# Altium PCB XTIDA-010086.PcbDoc (part 6 of 17)
Units mm, origin at the board's own origin, x right, y up, seen from the top; angles counter-clockwise.
Board outline 375 x 210 mm, 6 copper layers (Top Layer, GND Layer, Signal Layer 1, Signal Layer 2, Power Layer, Bottom Layer), stack 1.575 mm thick; 1884 components, 1036 nets, 4948 pads, 6791 vias.
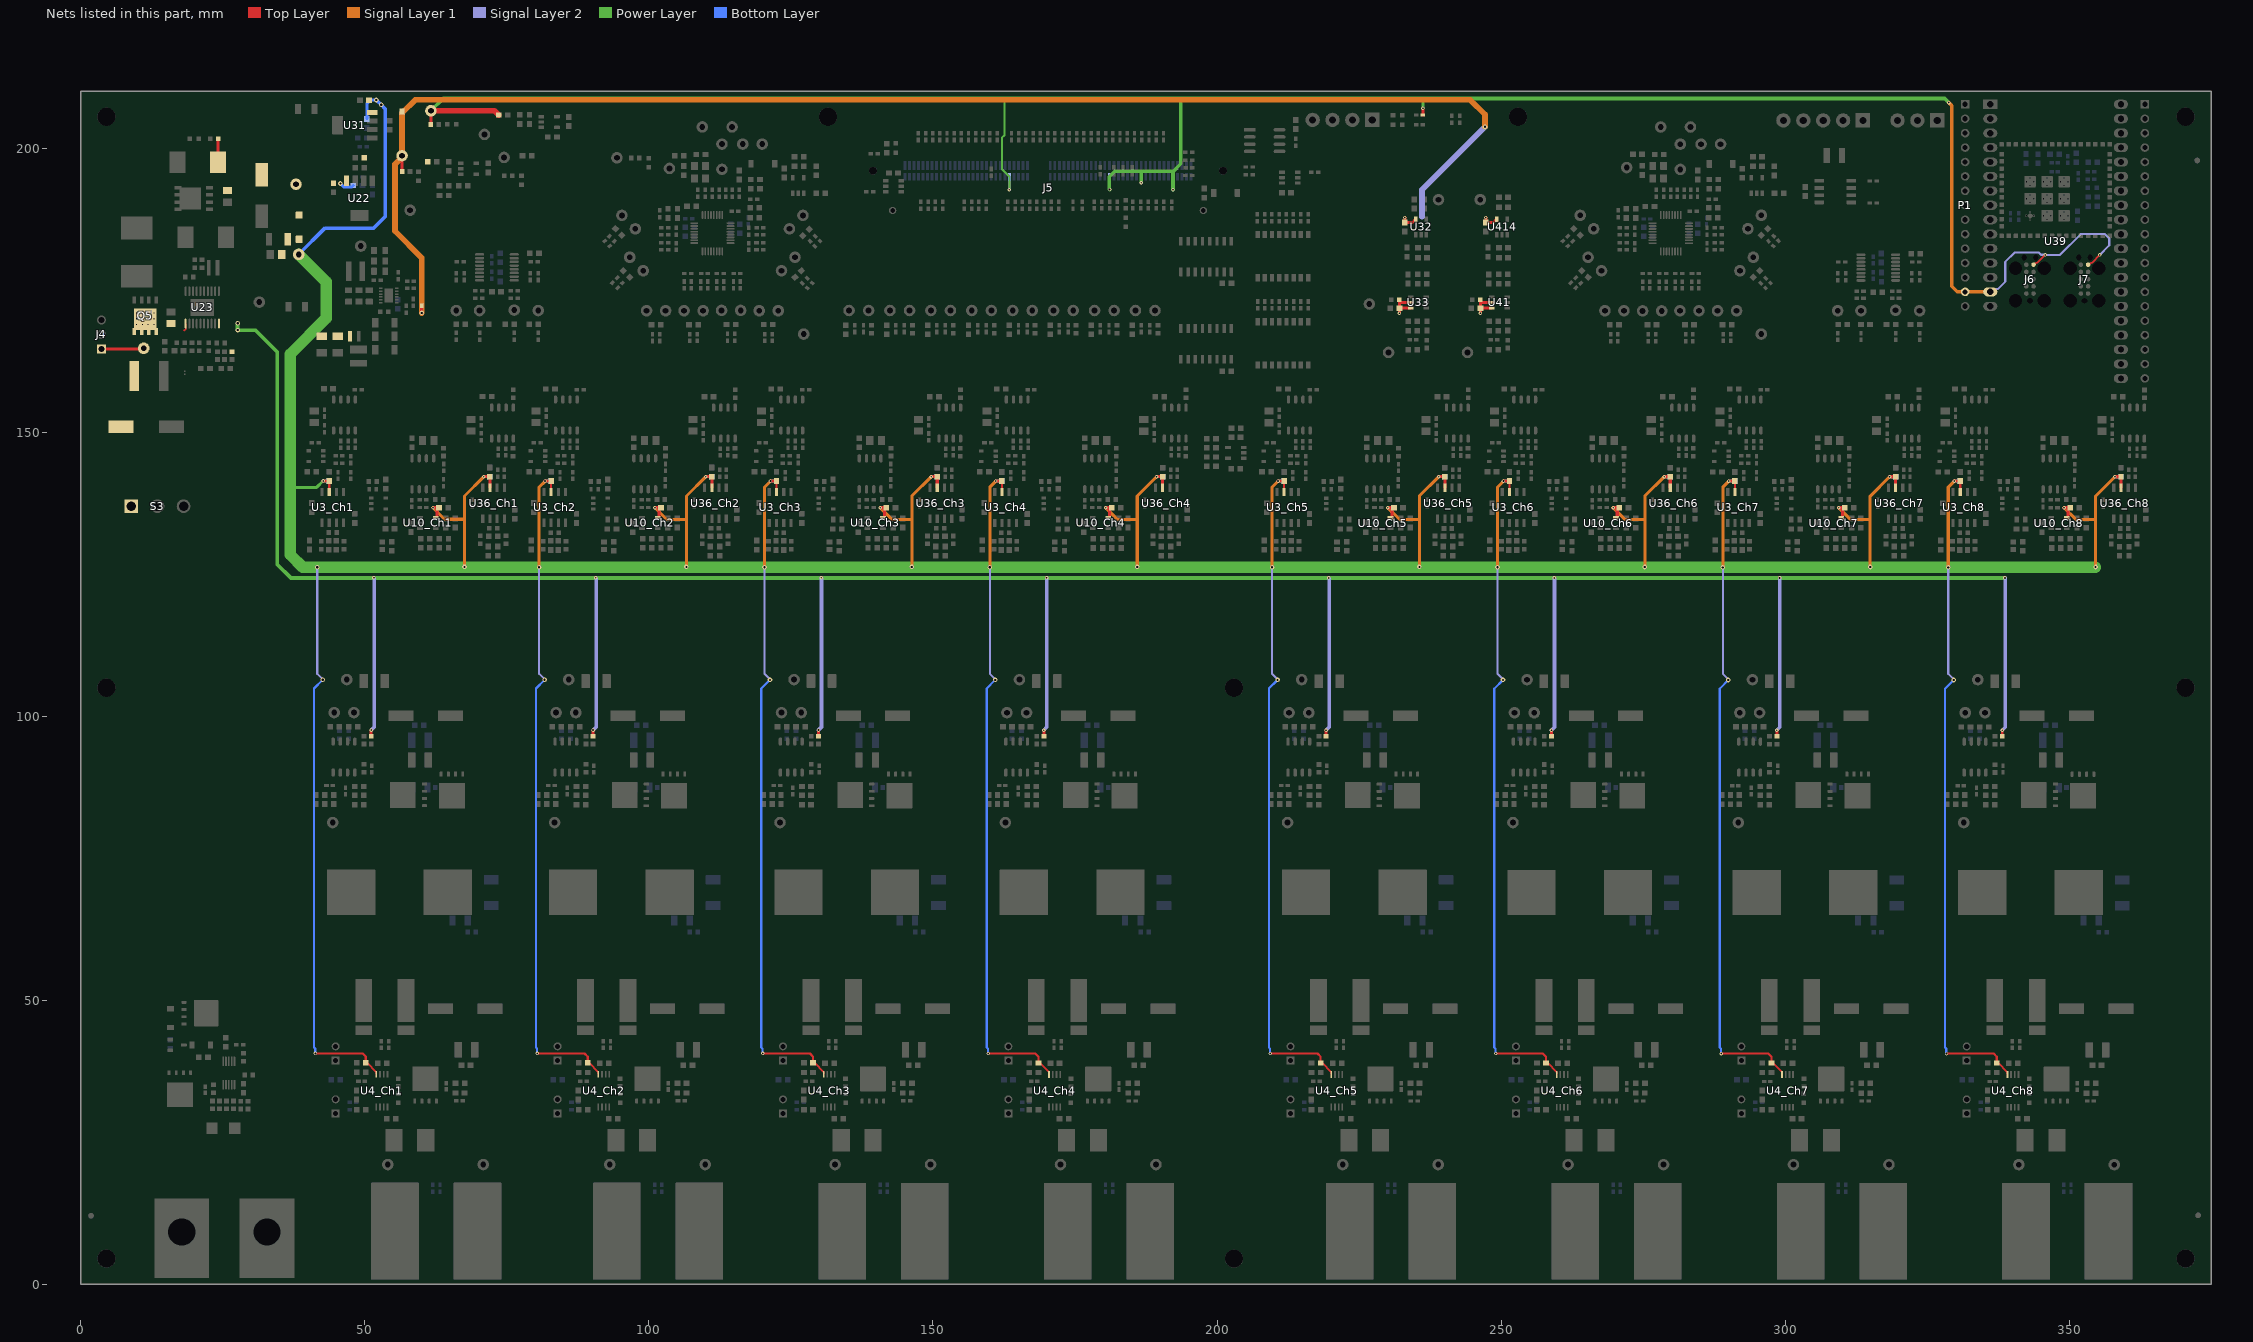
[diagram p10: the nets of this part, all layers, seen from the top]

## Part data (continued)
Q4: library part CMP-0000416-1, "Transistor, NPN, 80 V, 0.5 A, SOT-23", Manufacturer="Diodes Inc.", Supplier Part Number 1=MMBTA06-FDICT-ND, Value1="0.5 A", AEC Category=Q101, AEC Qualified=?, ComponentLink1Description="Datasheet link", ComponentLink1URL=http://www.diodes.com/datasheets/ds30037.pdf, CompType=BJT, IcRated_A=500mA, LatestRevisionDate=2017-03-09, MountType=SMT, NPN=1, PackageReference=SOT-23, PartNumber=MMBTA06-7-F, PNP=0, Published=2008-07-31, Publisher="Texas Instruments", RoHS=Y, SizeArea_mm2=7.5, SizeAreaWB_mm2=14, SizeX_mm=2.5, SizeY_mm=3, SizeZ_mm=1.1, Supplier 1=Digi-Key, Supplier 2=Newark, Supplier 3=Mouser, Supplier Part Number 2=51R6805, Supplier Part Number 3=621-MMBTA06-F, TaMax_C=150°C, TaMin_C=-55°C, U/M=EA, Vceo_V=80V, Vcesat1_V=250mV
Q5 Q6: "MOSFET, N-CH, 100 V, 21 A, PowerPAK SO-8", Alternate Manufacturer=None, Manufacturer=Vishay-Siliconix, Supplier Part Number 1=SI7454DDP-T1-GE3CT-ND, Value1="0.047 ohm", Value2="12.8 nC", AEC Category=Q101, AEC Qualified=N, ChType=N, ComponentLink1Description="Datasheet link", ComponentLink1URL=http://www.vishay.com/docs/67883/si7454ddp.pdf, CompType=MOSFET, IdsMax_A=21, LatestRevisionDate=2016-10-20, LatestRevisionNote="Added parts.", MountType=SMT, PackageReference="PowerPAK SO-8", PartNumber=SI7454DDP-T1-GE3, Published=2008-06-19, Publisher="Texas Instruments", QgTyp_nC=12.8, Rdson45_ohm=0.047, RoHS=Y, SizeArea_mm2=29.351, SizeAreaWB_mm2=55.131, SizeX_mm=5.99, SizeY_mm=4.9, SizeZ_mm=1.12, Supplier 1=Digi-Key, Supplier 2=Mouser, Supplier 3=Farnell, Supplier Part Number 2=78-SI7454DDP-T1-GE3, Supplier Part Number 3=2283675, SymbolVersion=2011-08-16, U/M=EA, VdsMax_V=100, Vgs_V=20
R1_Ch1 R1_Ch2 R1_Ch3 R1_Ch4 R1_Ch5 R1_Ch6 R1_Ch7 R1_Ch8 R5_Ch1 R5_Ch2 R5_Ch3 R5_Ch4 R5_Ch5 R5_Ch6 R5_Ch7 R5_Ch8 R18_Ch1 R18_Ch2 R18_Ch3 R18_Ch4 R18_Ch5 R18_Ch6 R18_Ch7 R18_Ch8 R24_Ch1 R24_Ch2 R24_Ch3 R24_Ch4 R24_Ch5 R24_Ch6 R24_Ch7 R24_Ch8 R190 R191 R194 R195: library part CMP-0022746-5, "RES, 10.0 k, 1%, 0.1 W, 0603", Manufacturer=Yageo, Power_W=100mW, Supplier Part Number 1=311-10.0KHRCT-ND, TempCo="100 ppm/C", Tolerance_%=1%, Value2=0.1W, Value_Code=10k0, ValueDisplayed=10.0k, AEC Category=Q200, AEC Grade=N/A, AEC Qualified=N, ComponentLink1Description="Datasheet link", ComponentLink1URL=http://www.yageo.com/pdf/Pu-RC0603_51_PbFree_L_2.pdf, CompType=Resistor, EIA_Code=E96, MountType=SMT, PackageReference=0603, PartNumber=RC0603FR-0710KL, Res_ohm=10k, RoHS=Y, SizeArea_mm2=1.28, SizeAreaWB_mm2=4.68, SizeX_mm=1.6, SizeY_mm=0.8, SizeZ_mm=1, Supplier 1=Digi-Key, Supplier 2=Mouser, Supplier 3=Farnell, Supplier Part Number 2=603-RC0603FR-0710KL, Supplier Part Number 3=9238603, Technology="Thick Film", Value1=1%, VDC_V=75V
R2_Ch1 R2_Ch2 R2_Ch3 R2_Ch4 R2_Ch5 R2_Ch6 R2_Ch7 R2_Ch8 R3_Ch1 R3_Ch2 R3_Ch3 R3_Ch4 R3_Ch5 R3_Ch6 R3_Ch7 R3_Ch8 R8_Ch1 R8_Ch2 R8_Ch3 R8_Ch4 R8_Ch5 R8_Ch6 R8_Ch7 R8_Ch8: "RES, 0, 5%, 0.1 W, 0603", Manufacturer="Yageo America", Power_W=0.1, Supplier Part Number 1=311-0.0GRCT-ND, TempCo="200 ppm/C", Tolerance_%=5, Value1=5%, Value2=0.1W, Value_Code=0000, ValueDisplayed=0, AEC Category=Q200, AEC Qualified=?, ComponentLink1Description="Datasheet link", ComponentLink1URL=http://www.yageo.com/pdf/Pu-RC0603_51_PbFree_L_2.pdf, CompType=Resistor, EIA_Code=E24, LatestRevisionDate=2017-03-04, MountType=SMT, PackageReference=0603, PartNumber=RC0603JR-070RL, Published=2008-06-26, Publisher="Texas Instruments", Res_ohm=0, RoHS=Y, SizeArea_mm2=1.28, SizeX_mm=1.6, SizeY_mm=0.8, SizeZ_mm=1, Supplier 1=Digi-Key, Supplier 2=Mouser, Supplier 3=Farnell, Supplier Part Number 2=603-RC0603JR-070RL, Supplier Part Number 3=9233130, SymbolVersion=2009-05-29, Technology="Thick Film", U/M=EA, VDC_V=50
R4_Ch1 R4_Ch2 R4_Ch3 R4_Ch4 R4_Ch5 R4_Ch6 R4_Ch7 R4_Ch8: "RES, 10.0, 1%, 0.25 W, 1206", Manufacturer="Yageo America", Power_W=0.25, Supplier Part Number 1=311-10.0FRCT-ND, TempCo="200 ppm/C", Tolerance_%=1, Value1=1%, Value2=0.25W, Value_Code=10R0, ValueDisplayed=DNP, AEC Category=Q200, AEC Qualified=?, ComponentLink1Description="Datasheet link", ComponentLink1URL=http://www.yageo.com/pdf/Pu-RC1206_51_PbFree_L_2.pdf, CompType=Resistor, EIA_Code=E96, Group=PS, LatestRevisionDate=2017-03-10, MountType=SMT, PackageReference=1206, PartNumber=RC1206FR-0710RL, Published=2008-06-26, Publisher="Texas Instruments", Res_ohm=10, RoHS=Y, SizeArea_mm2=5.12, SizeX_mm=3.2, SizeY_mm=1.6, SizeZ_mm=1.35, Supplier 1=Digi-Key, Supplier 2=Mouser, Supplier 3=Farnell, Supplier Part Number 2=603-RC1206FR-0710RL, Supplier Part Number 3=9236643, SymbolVersion=2009-05-29, Technology="Thick Film", U/M=EA, VDC_V=200
R6_Ch1 R6_Ch2 R6_Ch3 R6_Ch4 R6_Ch5 R6_Ch6 R6_Ch7 R6_Ch8: library part Y14880R01000B9R, "Current Sense Resistors - SMD 0.005ohms 0.1% 3w", Manufacturer="Vishay Foil Resistors", Power_W=3, TempCo="15 ppm/C", Tolerance_%=0.1, Value1=0.1%, Value2=3W, Value_Code=R010, ValueDisplayed=5mOhm, AEC Category=Q200, AEC Grade=N/A, AEC Qualified=N, ComponentLink1Description="Datasheet link", ComponentLink1URL=http://www.vishaypg.com/docs/63089/csm.pdf, CompType=Resistor, Group=PS, LatestRevisionDate=2017-06-19, MountType=SMT, PackageReference=9.398x9.144mm, PartNumber=Y14880R00500B9R, Published=2008-06-26, Publisher="Texas Instruments", Res_ohm=5mOhm, RoHS=Y, SizeArea_mm2=85.935312, SizeAreaWB_mm2=127.019312, SizeX_mm=9.398, SizeY_mm=9.144, SizeZ_mm=0.889, Supplier 2=Mouser, Supplier Part Number 2=71-CSM36370R0050BST, SymbolVersion=2009-05-29, Technology="Metal Foil", U/M=EA
R7 R157: "RES, 0.22, 1%, 0.1 W, 0603", Manufacturer=Panasonic, Power_W=0.1, Supplier Part Number 1=P.22AJCT-ND, TempCo="300 ppm/C", Tolerance_%=1, Value1=1%, Value2=0.1W, Value_Code=R220, ValueDisplayed=0.22, AEC Category=Q200, AEC Qualified=?, ComponentLink1Description="Datasheet link", ComponentLink1URL=http://www.panasonic.com/industrial/components/pdf/AOA0000CE3.pdf, CompType=Resistor, EIA_Code=E96, LatestRevisionDate=2017-03-04, MountType=SMT, PackageReference=0603, PartNumber=ERJ-3RQFR22V, Published=2008-06-26, Publisher="Texas Instruments", Res_ohm=0.22, RoHS=Y, SizeArea_mm2=1.28, SizeX_mm=1.6, SizeY_mm=0.8, SizeZ_mm=1, Supplier 1=Digi-Key, Supplier 2=Newark, Supplier 3=Mouser, Supplier Part Number 2=15R1425, Supplier Part Number 3=667-ERJ-3RQFR22V, SymbolVersion=2009-05-29, Technology="Thick Film", U/M=EA
R7_Ch1 R7_Ch2 R7_Ch3 R7_Ch4 R7_Ch5 R7_Ch6 R7_Ch7 R7_Ch8 R10_Ch1 R10_Ch2 R10_Ch3 R10_Ch4 R10_Ch5 R10_Ch6 R10_Ch7 R10_Ch8 R12_Ch1 R12_Ch2 R12_Ch3 R12_Ch4 R12_Ch5 R12_Ch6 R12_Ch7 R12_Ch8 R13_Ch1 R13_Ch2 R13_Ch3 R13_Ch4 R13_Ch5 R13_Ch6 R13_Ch7 R13_Ch8 R14_Ch1 R14_Ch2 R14_Ch3 R14_Ch4 R14_Ch5 R14_Ch6 R14_Ch7 R14_Ch8 R17_Ch1 R17_Ch2 R17_Ch3 R17_Ch4 R17_Ch5 R17_Ch6 R17_Ch7 R17_Ch8 R20_Ch1 R20_Ch2 R20_Ch3 R20_Ch4 R20_Ch5 R20_Ch6 R20_Ch7 R20_Ch8 R26 R31_Ch1 R31_Ch2 R31_Ch3 R31_Ch4 R31_Ch5 R31_Ch6 R31_Ch7 R31_Ch8 R34_Ch1 R34_Ch2 R34_Ch3 R34_Ch4 R34_Ch5 R34_Ch6 R34_Ch7 R34_Ch8 R36_Ch1 R36_Ch2 R36_Ch3 R36_Ch4 R36_Ch5 R36_Ch6 R36_Ch7 R36_Ch8 R39_Ch1 R39_Ch2 R39_Ch3 R39_Ch4 R39_Ch5 R39_Ch6 R39_Ch7 R39_Ch8 R40_Ch1 R40_Ch2 R40_Ch3 R40_Ch4 R40_Ch5 R40_Ch6 R40_Ch7 R40_Ch8 R43 R47 R48 R49 R50 R51 R52 R53 R54 R55 R57 R58 R60 R68_Ch1 R68_Ch2 R68_Ch3 R68_Ch4 R68_Ch5 R68_Ch6 R68_Ch7 R68_Ch8 R73_Ch1 R73_Ch2 R73_Ch3 R73_Ch4 R73_Ch5 R73_Ch6 R73_Ch7 R73_Ch8 R74_Ch1 R74_Ch2 R74_Ch3 R74_Ch4 R74_Ch5 R74_Ch6 R74_Ch7 R74_Ch8 R86 R90 R91 R92 R93 R94 R95 R96 R97 R99 R100 R101 R102 R103 R104 R105 R106 R107 R110 R111 R112 R113 R114 R115 R116 R117 R118 R119 R120 R121 R122 R123 R124 R125 R126 R127 R128 R130 R131 R132 R133 R134 R135 R136 R137 R138 R141 R142 R143 R144 R145 R146 R147 R148 R149 R150 R151 R159 R160 R166 R168 R169 R170 R171 R172 R173 R174 R175 R178 R184 R185_Ch1 R185_Ch2 R185_Ch3 R185_Ch4 R185_Ch5 R185_Ch6 R185_Ch7 R185_Ch8 R186 R187 R188 R189 R192 R193 R204 R220 R222 R245 R246 R247 R248 R249 R250 R251 R252 R253 R254 R255 R256 R257 R261 R262 R263 R264 R265 R266 R267 R268 R269 R270 R271 R272 R273 R274 R275 R276 R278 R281 R283 R289 R293 R294 R295 R296 R297 R300 R310 R311 R313 R314 R315: "RES, 0, 5%, 0.063 W, 0402", Manufacturer=Vishay-Dale, Power_W=0.063, Supplier Part Number 1=541-0.0JCT-ND, TempCo="200 ppm/C", Tolerance_%=5, Value1=5%, Value2=0.063W, Value_Code=0000, ValueDisplayed=0, AEC Category=Q200, AEC Qualified=?, ComponentLink1Description="Datasheet link", ComponentLink1URL=http://www.vishay.com/docs/20035/dcrcwe3.pdf, CompType=Resistor, EIA_Code=E24, Green_EU RoHS="Passed with Exemption", Green_EU RoHS-2=Passed, Green_Lifecycle=Active, Green_REACh=Passed, LatestRevisionDate=2017-06-12, MountType=SMT, PackageReference=0402, PartNumber=CRCW04020000Z0ED, Published=2008-06-26, Publisher="Texas Instruments", Res_ohm=0, RoHS=Y, SizeArea_mm2=0.5, SizeX_mm=1, SizeY_mm=0.5, SizeZ_mm=0.6, Supplier 1=Digi-Key, Supplier 2=Newark, Supplier 3=Mouser, Supplier Part Number 2=52K6543, Supplier Part Number 3=71-CRCW0402-0-E3, SymbolVersion=2009-05-29, Technology="Thick Film", U/M=EA, VDC_V=50
  R7_Ch1 R7_Ch2 R7_Ch3 R7_Ch4 R7_Ch5 R7_Ch6 R7_Ch7 R7_Ch8 R10_Ch1 R10_Ch2 R10_Ch3 R10_Ch4 R10_Ch5 R10_Ch6 R10_Ch7 R10_Ch8 R12_Ch1 R12_Ch2 R12_Ch3 R12_Ch4 R12_Ch5 R12_Ch6 R12_Ch7 R12_Ch8 R13_Ch1 R13_Ch2 R13_Ch3 R13_Ch4 R13_Ch5 R13_Ch6 R13_Ch7 R13_Ch8 R14_Ch1 R14_Ch2 R14_Ch3 R14_Ch4 R14_Ch5 R14_Ch6 R14_Ch7 R14_Ch8 R17_Ch1 R17_Ch2 R17_Ch3 R17_Ch4 R17_Ch5 R17_Ch6 R17_Ch7 R17_Ch8 R20_Ch1 R20_Ch2 R20_Ch3 R20_Ch4 R20_Ch5 R20_Ch6 R20_Ch7 R20_Ch8: Group=PS
  R31_Ch1 R31_Ch2 R31_Ch3 R31_Ch4 R31_Ch5 R31_Ch6 R31_Ch7 R31_Ch8 R34_Ch1 R34_Ch2 R34_Ch3 R34_Ch4 R34_Ch5 R34_Ch6 R34_Ch7 R34_Ch8 R36_Ch1 R36_Ch2 R36_Ch3 R36_Ch4 R36_Ch5 R36_Ch6 R36_Ch7 R36_Ch8 R40_Ch1 R40_Ch2 R40_Ch3 R40_Ch4 R40_Ch5 R40_Ch6 R40_Ch7 R40_Ch8 R185_Ch1 R185_Ch2 R185_Ch3 R185_Ch4 R185_Ch5 R185_Ch6 R185_Ch7 R185_Ch8: Group2=CS
  R39_Ch1 R39_Ch2 R39_Ch3 R39_Ch4 R39_Ch5 R39_Ch6 R39_Ch7 R39_Ch8: Group2=VSS
  R68_Ch1 R68_Ch2 R68_Ch3 R68_Ch4 R68_Ch5 R68_Ch6 R68_Ch7 R68_Ch8 R73_Ch1 R73_Ch2 R73_Ch3 R73_Ch4 R73_Ch5 R73_Ch6 R73_Ch7 R73_Ch8 R74_Ch1 R74_Ch2 R74_Ch3 R74_Ch4 R74_Ch5 R74_Ch6 R74_Ch7 R74_Ch8: Group2=VSD
  R159 R160 R166 R168 R169 R170 R171 R172: Group2=T1
  R174 R175 R178 R184 R186 R192 R193 R204: Group2=T2
R9_Ch1 R9_Ch2 R9_Ch3 R9_Ch4 R9_Ch5 R9_Ch6 R9_Ch7 R9_Ch8: "RES, 10.0, 1%, 0.25 W, 1206", Manufacturer="Yageo America", Power_W=0.25, Supplier Part Number 1=311-10.0FRCT-ND, TempCo="200 ppm/C", Tolerance_%=1, Value1=1%, Value2=0.25W, Value_Code=10R0, ValueDisplayed=10.0, AEC Category=Q200, AEC Qualified=?, ComponentLink1Description="Datasheet link", ComponentLink1URL=http://www.yageo.com/pdf/Pu-RC1206_51_PbFree_L_2.pdf, CompType=Resistor, EIA_Code=E96, Group=PS, LatestRevisionDate=2017-03-10, MountType=SMT, PackageReference=1206, PartNumber=RC1206FR-0710RL, Published=2008-06-26, Publisher="Texas Instruments", Res_ohm=10, RoHS=Y, SizeArea_mm2=5.12, SizeX_mm=3.2, SizeY_mm=1.6, SizeZ_mm=1.35, Supplier 1=Digi-Key, Supplier 2=Mouser, Supplier 3=Farnell, Supplier Part Number 2=603-RC1206FR-0710RL, Supplier Part Number 3=9236643, SymbolVersion=2009-05-29, Technology="Thick Film", U/M=EA, VDC_V=200
R11_Ch1 R11_Ch2 R11_Ch3 R11_Ch4 R11_Ch5 R11_Ch6 R11_Ch7 R11_Ch8 R21_Ch1 R21_Ch2 R21_Ch3 R21_Ch4 R21_Ch5 R21_Ch6 R21_Ch7 R21_Ch8 R62_Ch1 R62_Ch2 R62_Ch3 R62_Ch4 R62_Ch5 R62_Ch6 R62_Ch7 R62_Ch8: "RES, 2.00, 1%, 0.1 W, 0603", Manufacturer=Vishay-Dale, Power_W=0.1, Supplier Part Number 1=541-2.00HHCT-ND, TempCo="100 ppm/C", Tolerance_%=1, Value1=1%, Value2=0.1W, Value_Code=2R00, ValueDisplayed=2.00, AEC Category=Q200, AEC Qualified=?, ComponentLink1Description="Datasheet link", ComponentLink1URL=http://www.vishay.com/docs/20035/dcrcwe3.pdf, CompType=Resistor, EIA_Code=E96, Green_EU RoHS="Passed with Exemption", Green_EU RoHS-2=Passed, Green_Lifecycle=Active, Green_REACh=Passed, LatestRevisionDate=2017-06-13, MountType=SMT, PackageReference=0603, PartNumber=CRCW06032R00FKEA, Published=2008-06-26, Publisher="Texas Instruments", Res_ohm=2, RoHS=Y, SizeArea_mm2=1.28, SizeX_mm=1.6, SizeY_mm=0.8, SizeZ_mm=1, Supplier 1=Digi-Key, Supplier 2=Mouser, Supplier 3=Farnell, Supplier Part Number 2=71-CRCW06032R00FKEA, Supplier Part Number 3=1862038, SymbolVersion=2009-05-29, Technology="Thick Film", U/M=EA, VDC_V=75
  R62_Ch1 R62_Ch2 R62_Ch3 R62_Ch4 R62_Ch5 R62_Ch6 R62_Ch7 R62_Ch8: Group=RV
R15_Ch1 R15_Ch2 R15_Ch3 R15_Ch4 R15_Ch5 R15_Ch6 R15_Ch7 R15_Ch8: "RES, 10 M, 1%, 0.1 W, 0603", Manufacturer=Vishay-Dale, Power_W=0.1, Supplier Part Number 1=541-1.00MHCT-ND, TempCo="100 ppm/C", Tolerance_%=1, Value1=1%, Value2=0.1W, Value_Code=1M00, ValueDisplayed=10Meg, AEC Category=Q200, AEC Qualified=?, ComponentLink1Description="Datasheet link", ComponentLink1URL=http://www.vishay.com/docs/20035/dcrcwe3.pdf, CompType=Resistor, EIA_Code=E96, Green_EU RoHS="Passed with Exemption", Green_EU RoHS-2=Passed, Green_Lifecycle=Active, Green_REACh=Passed, Group=RV, LatestRevisionDate=2017-06-13, MountType=SMT, PackageReference=0603, PartNumber=CRCW06031M00FKEA, Published=2008-06-26, Publisher="Texas Instruments", Res_ohm=1000000, RoHS=Y, SizeArea_mm2=1.28, SizeX_mm=1.6, SizeY_mm=0.8, SizeZ_mm=1, Supplier 1=Digi-Key, Supplier 2=Newark, Supplier 3=Mouser, Supplier Part Number 2=52K8053, Supplier Part Number 3=71-CRCW0603-1.0M-E3, SymbolVersion=2009-05-29, Technology="Thick Film", U/M=EA, VDC_V=75
R16_Ch1 R16_Ch2 R16_Ch3 R16_Ch4 R16_Ch5 R16_Ch6 R16_Ch7 R16_Ch8 R208 R291_Ch1 R291_Ch2 R291_Ch3 R291_Ch4 R291_Ch5 R291_Ch6 R291_Ch7 R291_Ch8: "RES, 49.9 k, 1%, 0.1 W, 0603", Manufacturer=Vishay-Dale, Power_W=0.1, Supplier Part Number 1=541-49.9KHCT-ND, TempCo="100 ppm/C", Tolerance_%=1, Value1=1%, Value2=0.1W, Value_Code=49k9, ValueDisplayed=49.9k, AEC Category=Q200, AEC Qualified=?, ComponentLink1Description="Datasheet link", ComponentLink1URL=http://www.vishay.com/docs/20035/dcrcwe3.pdf, CompType=Resistor, EIA_Code=E96, Green_EU RoHS="Passed with Exemption", Green_EU RoHS-2=Passed, Green_Lifecycle=Active, Green_REACh=Passed, LatestRevisionDate=2017-06-13, MountType=SMT, PackageReference=0603, PartNumber=CRCW060349K9FKEA, Published=2008-06-26, Publisher="Texas Instruments", Res_ohm=49900, RoHS=Y, SizeArea_mm2=1.28, SizeX_mm=1.6, SizeY_mm=0.8, SizeZ_mm=1, Supplier 1=Digi-Key, Supplier 2=Mouser, Supplier 3=Farnell, Supplier Part Number 2=71-CRCW0603-49.9K-E3, Supplier Part Number 3=1652882, SymbolVersion=2009-05-29, Technology="Thick Film", U/M=EA, VDC_V=75
  R16_Ch1 R16_Ch2 R16_Ch3 R16_Ch4 R16_Ch5 R16_Ch6 R16_Ch7 R16_Ch8 R291_Ch1 R291_Ch2 R291_Ch3 R291_Ch4 R291_Ch5 R291_Ch6 R291_Ch7 R291_Ch8: Group2=VSD
R19_Ch1 R19_Ch2 R19_Ch3 R19_Ch4 R19_Ch5 R19_Ch6 R19_Ch7 R19_Ch8 R25_Ch1 R25_Ch2 R25_Ch3 R25_Ch4 R25_Ch5 R25_Ch6 R25_Ch7 R25_Ch8: library part CMP-0022900-4, "RES, 1.00, 1%, 0.1 W, 0603", Manufacturer=Yageo, Power_W=100mW, Supplier Part Number 1=311-1.00HRCT-ND, TempCo="200 ppm/C", Tolerance_%=1%, Value2=0.1W, Value_Code=1R00, ValueDisplayed=1, AEC Category=Q200, AEC Grade=N/A, AEC Qualified=N, ComponentLink1Description="Datasheet link", ComponentLink1URL=http://www.yageo.com/pdf/Pu-RC0603_51_PbFree_L_2.pdf, CompType=Resistor, EIA_Code=E96, MountType=SMT, PackageReference=0603, PartNumber=RC0603FR-071RL, Res_ohm=1, RoHS=Y, SizeArea_mm2=1.28, SizeAreaWB_mm2=4.68, SizeX_mm=1.6, SizeY_mm=0.8, SizeZ_mm=1, Supplier 1=Digi-Key, Supplier 2=Mouser, Supplier 3=Farnell, Supplier Part Number 2=603-RC0603FR-071RL, Supplier Part Number 3=9238123, Technology="Thick Film", Value1=1%, VDC_V=75V
R22 R162 R290_Ch1 R290_Ch2 R290_Ch3 R290_Ch4 R290_Ch5 R290_Ch6 R290_Ch7 R290_Ch8: "RES, 0, 5%, 0.063 W, 0402", Manufacturer=Vishay-Dale, Power_W=0.063, Supplier Part Number 1=541-0.0JCT-ND, TempCo="200 ppm/C", Tolerance_%=5, Value1=5%, Value2=0.063W, Value_Code=0000, ValueDisplayed=DNP, AEC Category=Q200, AEC Qualified=?, ComponentLink1Description="Datasheet link", ComponentLink1URL=http://www.vishay.com/docs/20035/dcrcwe3.pdf, CompType=Resistor, EIA_Code=E24, Green_EU RoHS="Passed with Exemption", Green_EU RoHS-2=Passed, Green_Lifecycle=Active, Green_REACh=Passed, LatestRevisionDate=2017-06-12, MountType=SMT, PackageReference=0402, PartNumber=CRCW04020000Z0ED, Published=2008-06-26, Publisher="Texas Instruments", Res_ohm=0, RoHS=Y, SizeArea_mm2=0.5, SizeX_mm=1, SizeY_mm=0.5, SizeZ_mm=0.6, Supplier 1=Digi-Key, Supplier 2=Newark, Supplier 3=Mouser, Supplier Part Number 2=52K6543, Supplier Part Number 3=71-CRCW0402-0-E3, SymbolVersion=2009-05-29, Technology="Thick Film", U/M=EA, VDC_V=50
  R290_Ch1 R290_Ch2 R290_Ch3 R290_Ch4 R290_Ch5 R290_Ch6 R290_Ch7 R290_Ch8: Group=ACS, Group2=VSD
R23 R27 R56 R239 R277 R279 R280 R282 R284 R285 R286 R288 R292 R298 R304 R305 R312: "RES, 50, 0.1%, 0.05 W, 0402", Manufacturer=Vishay-Dale, Power_W=0.05, Supplier Part Number 1=FC0402-50BWCT-ND, TempCo="25 ppm/C", Tolerance_%=0.1, Value1=0.1%, Value2=0.05W, Value_Code=50R0, ValueDisplayed=50, AEC Category=Q200, AEC Grade=N/A, AEC Qualified=N, ComponentLink1Description="Datasheet link", ComponentLink1URL=http://www.vishay.com/docs/60093/fcseries.pdf, CompType=Resistor, LatestRevisionDate=2017-06-12, MountType=SMT, PackageReference=0402, PartNumber=FC0402E50R0BST1, Published=2008-06-26, Publisher="Texas Instruments", Res_ohm=50, RoHS=Y, SizeArea_mm2=0.5, SizeX_mm=1, SizeY_mm=0.5, SizeZ_mm=0.6, Supplier 1=Digi-Key, Supplier 2=Newark, Supplier 3=Mouser, Supplier Part Number 2=41R5603, Supplier Part Number 3=71-FC0402E50R0BST1, SymbolVersion=2009-05-29, Technology="Thin Film", U/M=EA
R28_Ch1 R28_Ch2 R28_Ch3 R28_Ch4 R28_Ch5 R28_Ch6 R28_Ch7 R28_Ch8 R29_Ch1 R29_Ch2 R29_Ch3 R29_Ch4 R29_Ch5 R29_Ch6 R29_Ch7 R29_Ch8 R155 R218 R485 R491: "RES, 1.00 k, 0.1%, 0.1 W, 0603", Manufacturer="Susumu Co Ltd", Power_W=0.1, Supplier Part Number 1=RG16P1.0KBCT-ND, TempCo="25 ppm/C", Value1=0.1%, Value2=0.1W, Value_Code=1k00, ValueDisplayed=1.00k, ComponentLink1Description="Datasheet link", ComponentLink1URL=http://www.susumu.co.jp/english/pdf/products-j01-01.pdf, CompType=Resistor, EIA_Code=E192, LatestRevisionDate=2015-06-13, MountType=SMT, PackageReference=0603, PartNumber=RG1608P-102-B-T5, Published=2008-06-26, Publisher="Texas Instruments", Res_ohm=1000, RoHS=Y, Supplier 1=Digi-Key, Supplier 2=Mouser, Supplier 3=Farnell, Supplier Part Number 2=754-RG1608P-102-B-T5, Supplier Part Number 3=1797076, SymbolVersion=2009-05-29, Technology="Metal Film", Tolerance_%=0.1, U/M=EA, VDC_V=75
  R28_Ch1 R28_Ch2 R28_Ch3 R28_Ch4 R28_Ch5 R28_Ch6 R28_Ch7 R28_Ch8 R29_Ch1 R29_Ch2 R29_Ch3 R29_Ch4 R29_Ch5 R29_Ch6 R29_Ch7 R29_Ch8: Group2=CS
R30_Ch1 R30_Ch2 R30_Ch3 R30_Ch4 R30_Ch5 R30_Ch6 R30_Ch7 R30_Ch8: library part Resistor, "RES, 2.18 k, 0.1%, 0.1 W, 0603", Manufacturer="Yageo America", Power_W=100mW, TempCo="25 ppm/C", Tolerance_%=0.1%, Value2=0.1W, Value_Code=2k18, ValueDisplayed=2.18k, AEC Category=Q200, AEC Qualified=?, ComponentLink1Description="Datasheet link", ComponentLink1URL=http://www.yageo.com/pdf/PYu-RT_1-to-0.05_RoHS_L_3.pdf, CompType=Resistor, EIA_Code=E192, Group2=CS, LatestRevisionDate=2017-03-09, MountType=SMT, PackageReference=0603, PartNumber=RT0603BRD072K18L, Published=2008-06-26, Publisher="Texas Instruments", Res_ohm=2.18k, RoHS=Y, SizeArea_mm2=1.28, SizeX_mm=1.6, SizeY_mm=0.8, SizeZ_mm=1, Technology="Thin Film", U/M=EA, Value1=0.1%, VDC_V=75V
R32_Ch1 R32_Ch2 R32_Ch3 R32_Ch4 R32_Ch5 R32_Ch6 R32_Ch7 R32_Ch8 R67_Ch1 R67_Ch2 R67_Ch3 R67_Ch4 R67_Ch5 R67_Ch6 R67_Ch7 R67_Ch8 R302_Ch1 R302_Ch2 R302_Ch3 R302_Ch4 R302_Ch5 R302_Ch6 R302_Ch7 R302_Ch8: "RES, 2.7 k, 5%, 0.063 W, 0402", Manufacturer=Vishay-Dale, Power_W=0.063, Supplier Part Number 1=541-2.7KJCT-ND, TempCo="200 ppm/C", Tolerance_%=5, Value1=5%, Value2=0.063W, Value_Code=2k70, ValueDisplayed=2.7k, AEC Category=Q200, AEC Qualified=?, ComponentLink1Description="Datasheet link", ComponentLink1URL=http://www.vishay.com/docs/20035/dcrcwe3.pdf, CompType=Resistor, EIA_Code=E24, Green_EU RoHS="Passed with Exemption", Green_EU RoHS-2=Passed, Green_Lifecycle=Active, Green_REACh=Passed, LatestRevisionDate=2017-06-12, MountType=SMT, PackageReference=0402, PartNumber=CRCW04022K70JNED, Published=2008-06-26, Publisher="Texas Instruments", Res_ohm=2700, RoHS=Y, SizeArea_mm2=0.5, SizeX_mm=1, SizeY_mm=0.5, SizeZ_mm=0.6, Supplier 1=Digi-Key, Supplier 2=Newark, Supplier 3=Mouser, Supplier Part Number 2=72M6761, Supplier Part Number 3=71-CRCW0402J-2.7K-E3, SymbolVersion=2009-05-29, Technology="Thick Film", U/M=EA, VDC_V=50
  R32_Ch1 R32_Ch2 R32_Ch3 R32_Ch4 R32_Ch5 R32_Ch6 R32_Ch7 R32_Ch8: Group2=CS
  R67_Ch1 R67_Ch2 R67_Ch3 R67_Ch4 R67_Ch5 R67_Ch6 R67_Ch7 R67_Ch8: Group2=VSS
  R302_Ch1 R302_Ch2 R302_Ch3 R302_Ch4 R302_Ch5 R302_Ch6 R302_Ch7 R302_Ch8: Group2=VSD
R33_Ch1 R33_Ch2 R33_Ch3 R33_Ch4 R33_Ch5 R33_Ch6 R33_Ch7 R33_Ch8 R38_Ch1 R38_Ch2 R38_Ch3 R38_Ch4 R38_Ch5 R38_Ch6 R38_Ch7 R38_Ch8 R61_Ch1 R61_Ch2 R61_Ch3 R61_Ch4 R61_Ch5 R61_Ch6 R61_Ch7 R61_Ch8 R71_Ch1 R71_Ch2 R71_Ch3 R71_Ch4 R71_Ch5 R71_Ch6 R71_Ch7 R71_Ch8: "RES, 5.1 k, 5%, 0.063 W, 0402", Manufacturer=Vishay-Dale, Power_W=0.063, Supplier Part Number 1=541-5.1KJCT-ND, TempCo="200 ppm/C", Tolerance_%=5, Value1=5%, Value2=0.063W, Value_Code=5k10, ValueDisplayed=5.1k, AEC Category=Q200, AEC Qualified=?, ComponentLink1Description="Datasheet link", ComponentLink1URL=http://www.vishay.com/docs/20035/dcrcwe3.pdf, CompType=Resistor, EIA_Code=E24, Green_EU RoHS="Passed with Exemption", Green_EU RoHS-2=Passed, Green_Lifecycle=Active, Green_REACh=Passed, LatestRevisionDate=2017-06-12, MountType=SMT, PackageReference=0402, PartNumber=CRCW04025K10JNED, Published=2008-06-26, Publisher="Texas Instruments", Res_ohm=5100, RoHS=Y, SizeArea_mm2=0.5, SizeX_mm=1, SizeY_mm=0.5, SizeZ_mm=0.6, Supplier 1=Digi-Key, Supplier 2=Newark, Supplier 3=Mouser, Supplier Part Number 2=72M6798, Supplier Part Number 3=71-CRCW0402J-5.1K-E3, SymbolVersion=2009-05-29, Technology="Thick Film", U/M=EA, VDC_V=50
  R33_Ch1 R33_Ch2 R33_Ch3 R33_Ch4 R33_Ch5 R33_Ch6 R33_Ch7 R33_Ch8 R61_Ch1 R61_Ch2 R61_Ch3 R61_Ch4 R61_Ch5 R61_Ch6 R61_Ch7 R61_Ch8: Group2=CS
  R38_Ch1 R38_Ch2 R38_Ch3 R38_Ch4 R38_Ch5 R38_Ch6 R38_Ch7 R38_Ch8: Group2=VSS
  R71_Ch1 R71_Ch2 R71_Ch3 R71_Ch4 R71_Ch5 R71_Ch6 R71_Ch7 R71_Ch8: Group2=VSD
R35_Ch1 R35_Ch2 R35_Ch3 R35_Ch4 R35_Ch5 R35_Ch6 R35_Ch7 R35_Ch8 R65_Ch1 R65_Ch2 R65_Ch3 R65_Ch4 R65_Ch5 R65_Ch6 R65_Ch7 R65_Ch8 R69_Ch1 R69_Ch2 R69_Ch3 R69_Ch4 R69_Ch5 R69_Ch6 R69_Ch7 R69_Ch8: "RES, 7.50 k, 1%, 0.063 W, 0402", Manufacturer=Vishay-Dale, Power_W=0.063, Supplier Part Number 1=541-7.50KLCT-ND, TempCo="100 ppm/C", Tolerance_%=1, Value1=1%, Value2=0.063W, Value_Code=7k50, ValueDisplayed=7.50k, AEC Category=Q200, AEC Qualified=?, ComponentLink1Description="Datasheet link", ComponentLink1URL=http://www.vishay.com/docs/20035/dcrcwe3.pdf, CompType=Resistor, EIA_Code=E96, Green_EU RoHS="Passed with Exemption", Green_EU RoHS-2=Passed, Green_Lifecycle=Active, Green_REACh=Passed, LatestRevisionDate=2017-06-12, MountType=SMT, PackageReference=0402, PartNumber=CRCW04027K50FKED, Published=2008-06-26, Publisher="Texas Instruments", Res_ohm=7500, RoHS=Y, SizeArea_mm2=0.5, SizeX_mm=1, SizeY_mm=0.5, SizeZ_mm=0.6, Supplier 1=Digi-Key, Supplier 2=Newark, Supplier 3=Mouser, Supplier Part Number 2=52K7245, Supplier Part Number 3=71-CRCW0402-7.5K-E3, SymbolVersion=2009-05-29, Technology="Thick Film", U/M=EA, VDC_V=50
  R35_Ch1 R35_Ch2 R35_Ch3 R35_Ch4 R35_Ch5 R35_Ch6 R35_Ch7 R35_Ch8: Group2=CS
  R65_Ch1 R65_Ch2 R65_Ch3 R65_Ch4 R65_Ch5 R65_Ch6 R65_Ch7 R65_Ch8: Group2=VSS
  R69_Ch1 R69_Ch2 R69_Ch3 R69_Ch4 R69_Ch5 R69_Ch6 R69_Ch7 R69_Ch8: Group2=VSD
R37_Ch1 R37_Ch2 R37_Ch3 R37_Ch4 R37_Ch5 R37_Ch6 R37_Ch7 R37_Ch8 R66_Ch1 R66_Ch2 R66_Ch3 R66_Ch4 R66_Ch5 R66_Ch6 R66_Ch7 R66_Ch8 R287_Ch1 R287_Ch2 R287_Ch3 R287_Ch4 R287_Ch5 R287_Ch6 R287_Ch7 R287_Ch8: "RES, 11.0 k, 1%, 0.063 W, 0402", Manufacturer=Vishay-Dale, Power_W=0.063, Supplier Part Number 1=541-11.0KLCT-ND, TempCo="100 ppm/C", Tolerance_%=1, Value1=1%, Value2=0.063W, Value_Code=11k0, ValueDisplayed=11.0k, AEC Category=Q200, AEC Qualified=?, ComponentLink1Description="Datasheet link", ComponentLink1URL=http://www.vishay.com/docs/20035/dcrcwe3.pdf, CompType=Resistor, EIA_Code=E96, LatestRevisionDate=2017-06-12, MountType=SMT, PackageReference=0402, PartNumber=CRCW040211K0FKED, Published=2008-06-26, Publisher="Texas Instruments", Res_ohm=11000, RoHS=Y, SizeArea_mm2=0.5, SizeX_mm=1, SizeY_mm=0.5, SizeZ_mm=0.6, Supplier 1=Digi-Key, Supplier 2=Newark, Supplier 3=Mouser, Supplier Part Number 2=52K6621, Supplier Part Number 3=71-CRCW0402-11K-E3, SymbolVersion=2009-05-29, Technology="Thick Film", U/M=EA, VDC_V=50
  R37_Ch1 R37_Ch2 R37_Ch3 R37_Ch4 R37_Ch5 R37_Ch6 R37_Ch7 R37_Ch8: Group2=CS
  R66_Ch1 R66_Ch2 R66_Ch3 R66_Ch4 R66_Ch5 R66_Ch6 R66_Ch7 R66_Ch8: Group2=VSS
  R287_Ch1 R287_Ch2 R287_Ch3 R287_Ch4 R287_Ch5 R287_Ch6 R287_Ch7 R287_Ch8: Group2=VSD
R41 R486: "RES, 2.49 k, 0.1%, 0.1 W, 0603", Manufacturer="Susumu Co Ltd", Power_W=0.1, Supplier Part Number 1=RG16P2.49KBCT-ND, TempCo="25 ppm/C", Value1=0.1%, Value2=0.1W, Value_Code=2k49, ValueDisplayed=2.49k, ComponentLink1Description="Datasheet link", ComponentLink1URL=http://www.susumu.co.jp/english/pdf/products-j01-01.pdf, CompType=Resistor, EIA_Code=E192, LatestRevisionDate=2015-06-13, MountType=SMT, PackageReference=0603, PartNumber=RG1608P-2491-B-T5, Published=2008-06-26, Publisher="Texas Instruments", Res_ohm=2490, RoHS=Y, Supplier 1=Digi-Key, Supplier 2=Mouser, Supplier 3=Farnell, Supplier Part Number 2=754-RG1608P-2491-BT5, Supplier Part Number 3=1797138, SymbolVersion=2009-05-29, Technology="Metal Film", Tolerance_%=0.1, U/M=EA, VDC_V=75
R42 R167 R306 R307 R308 R309 R317 R318: library part Resistor, "RES, 100 k, 1%, 0.1 W, 0603", Manufacturer=Yageo, Power_W=100mW, Supplier Part Number 1=311-100KHRCT-ND, TempCo="100 ppm/C", Tolerance_%=1%, Value2=0.1W, Value_Code=100k, AEC Category=Q200, AEC Grade=N/A, AEC Qualified=N, ComponentLink1Description="Datasheet link", ComponentLink1URL=http://www.yageo.com/pdf/Pu-RC0603_51_PbFree_L_2.pdf, CompType=Resistor, EIA_Code=E96, MountType=SMT, PackageReference=0603, PartNumber=RC0603FR-07100KL, Res_ohm=100k, RoHS=Y, SizeArea_mm2=1.28, SizeAreaWB_mm2=4.68, SizeX_mm=1.6, SizeY_mm=0.8, SizeZ_mm=1, Supplier 1=Digi-Key, Supplier 2=Mouser, Supplier 3=Farnell, Supplier Part Number 2=603-RC0603FR-07100KL, Supplier Part Number 3=9238727, Technology="Thick Film", Value1=1%, ValueDisplayed=100k, VDC_V=75V
  R42: Group2=T2
  R167: Group2=T1
R44_Ch1 R44_Ch2 R44_Ch3 R44_Ch4 R44_Ch5 R44_Ch6 R44_Ch7 R44_Ch8 R45_Ch1 R45_Ch2 R45_Ch3 R45_Ch4 R45_Ch5 R45_Ch6 R45_Ch7 R45_Ch8 R46_Ch1 R46_Ch2 R46_Ch3 R46_Ch4 R46_Ch5 R46_Ch6 R46_Ch7 R46_Ch8 R161_Ch1 R161_Ch2 R161_Ch3 R161_Ch4 R161_Ch5 R161_Ch6 R161_Ch7 R161_Ch8: library part Resistor, "RES, 10.0 k, 1%, 0.1 W, 0603", Manufacturer=Yageo, Power_W=100mW, Supplier Part Number 1=311-10.0KHRCT-ND, TempCo="100 ppm/C", Tolerance_%=1%, Value2=0.1W, Value_Code=10k0, ValueDisplayed=10.0k, AEC Category=Q200, AEC Grade=N/A, AEC Qualified=N, ComponentLink1Description="Datasheet link", ComponentLink1URL=http://www.yageo.com/pdf/Pu-RC0603_51_PbFree_L_2.pdf, CompType=Resistor, EIA_Code=E96, Group=RV, MountType=SMT, PackageReference=0603, PartNumber=RC0603FR-0710KL, Res_ohm=10k, RoHS=Y, SizeArea_mm2=1.28, SizeAreaWB_mm2=4.68, SizeX_mm=1.6, SizeY_mm=0.8, SizeZ_mm=1, Supplier 1=Digi-Key, Supplier 2=Mouser, Supplier 3=Farnell, Supplier Part Number 2=603-RC0603FR-0710KL, Supplier Part Number 3=9238603, Technology="Thick Film", Value1=1%, VDC_V=75V
R59 R76_Ch1 R76_Ch2 R76_Ch3 R76_Ch4 R76_Ch5 R76_Ch6 R76_Ch7 R76_Ch8 R179 R180 R182 R183 R209: "RES, 4.99 k, 1%, 0.1 W, 0603", Manufacturer=Vishay-Dale, Power_W=0.1, Supplier Part Number 1=541-4.99KHCT-ND, TempCo="100 ppm/C", Tolerance_%=1, Value1=1%, Value2=0.1W, Value_Code=4k99, ValueDisplayed=4.99k, ComponentLink1Description="Datasheet link", ComponentLink1URL=http://www.vishay.com/docs/20035/dcrcwe3.pdf, CompType=Resistor, EIA_Code=E96, LatestRevisionDate=2015-06-13, MountType=SMT, PackageReference=0603, PartNumber=CRCW06034K99FKEA, Published=2008-06-26, Publisher="Texas Instruments", Res_ohm=4990, RoHS=Y, Supplier 1=Digi-Key, Supplier 2=Mouser, Supplier 3=Farnell, Supplier Part Number 2=71-CRCW0603-4.99K-E3, Supplier Part Number 3=1652885, SymbolVersion=2009-05-29, Technology="Thick Film", U/M=EA, VDC_V=75